# Altium PCB 10515.0462_全联供主板(2拼版)_V1.0.PcbDoc (part 2 of 18)
Units mm, origin at the board's own origin, x right, y up, seen from the top; angles counter-clockwise.
Board outline 282 x 198 mm, 2 copper layers (Top Layer, Bottom Layer); 716 components, 0 nets, 2364 pads, 1800 vias.
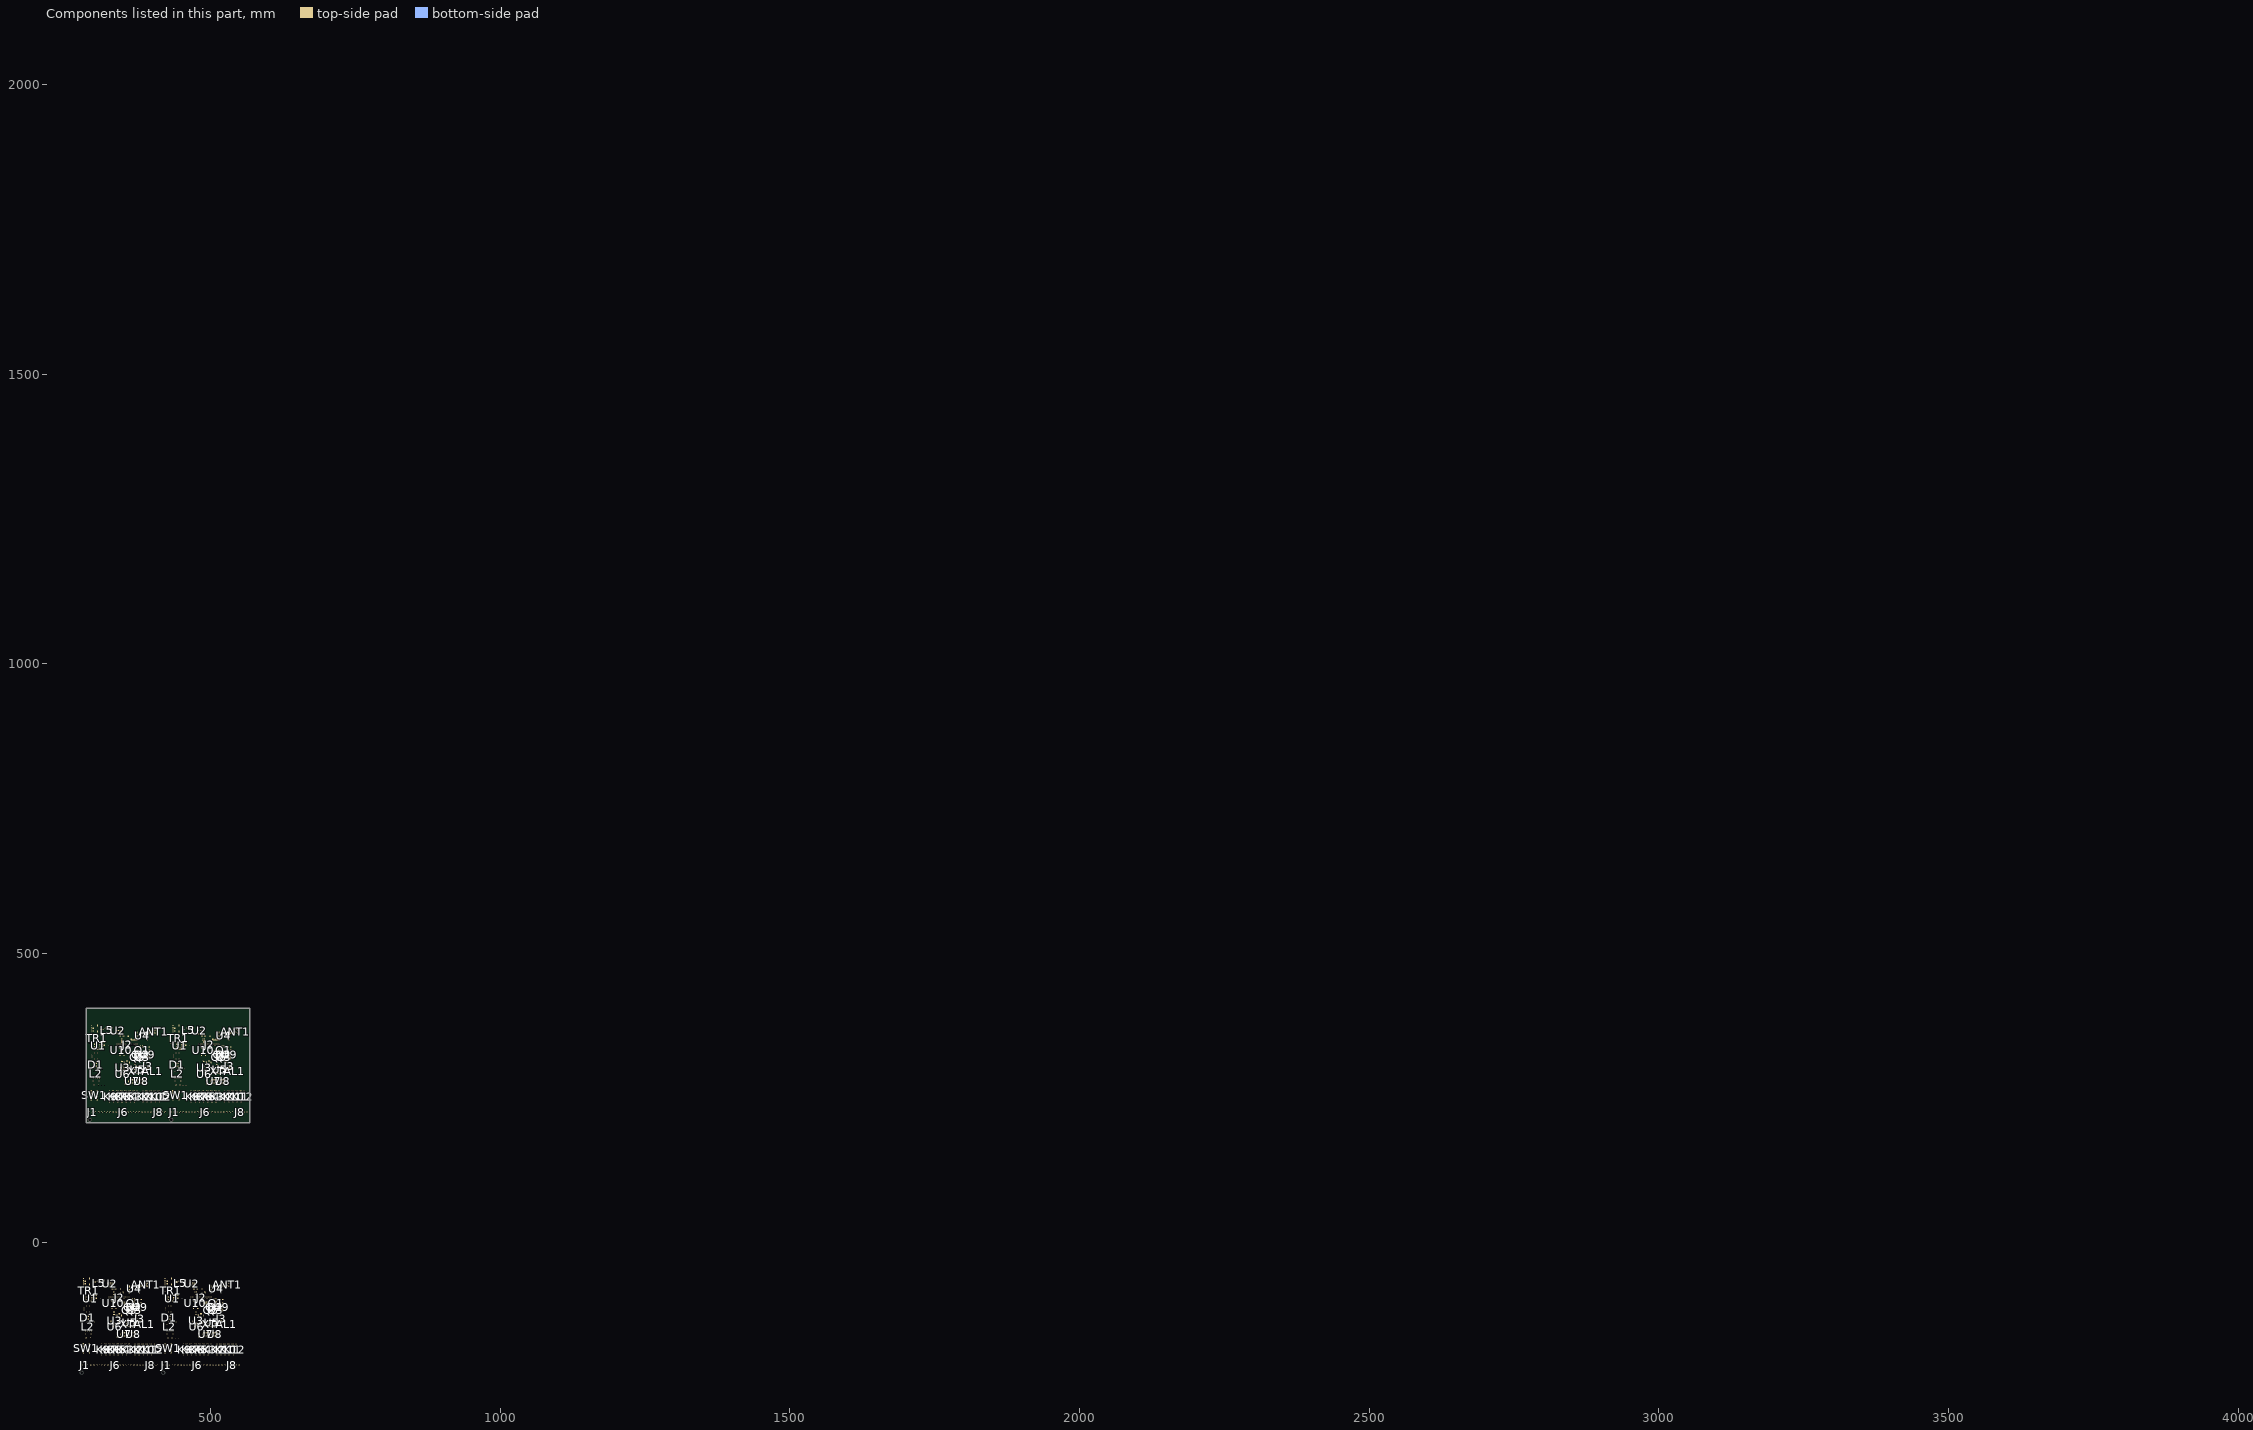
[diagram p2: the components of this part, seen from the top]

## Part data
ANT1 ANT1 ANT1 ANT1: library part OTHER/Antena/SMA座
C1 C1 C1 C1 C2 C2 C2 C2: library part CAP/CAP/SMT/1206C
C3 C3 C3 C3 C4 C4 C4 C4 C5 C5 C5 C5 C6 C6 C6 C6 C7 C7 C7 C7 C8 C8 C8 C8 C9 C9 C9 C9 C10 C10 C10 C10 C11 C11 C11 C11 C12 C12 C12 C12 C13 C13 C13 C13 C14 C14 C14 C14 C15 C15 C15 C15 C16 C16 C16 C16 C17 C17 C17 C17 C18 C18 C18 C18 C19 C19 C19 C19 C20 C20 C20 C20 C21 C21 C21 C21 C22 C22 C22 C22 C23 C23 C23 C23 C24 C24 C24 C24 C25 C25 C25 C25 C26 C26 C26 C26 C27 C27 C27 C27 C28 C28 C28 C28 C29 C29 C29 C29 C30 C30 C30 C30 C31 C31 C31 C31 C32 C32 C32 C32 C35 C35 C35 C35 C36 C36 C36 C36 C37 C37 C37 C37 C40 C40 C40 C40 C44 C44 C44 C44 C45 C45 C45 C45 C46 C46 C46 C46 C48 C48 C48 C48 C49 C49 C49 C49: library part CAP/CAP/SMT/0603C
C34 C34 C34 C34: library part A_Cap_0805
C42 C42 C42 C42 C43 C43 C43 C43: library part CAP/CAP/SMT/0805C
CX1 CX1 CX1 CX1: library part CAP/DIP/0.1uF/275V
CY1 CY1 CY1 CY1 CY2 CY2 CY2 CY2 CY3 CY3 CY3 CY3 CY4 CY4 CY4 CY4: library part CAP/DIP/102M/250V
D1 D1 D1 D1: library part D/BRIDGE/SMT/MB10S, "D_Bridge"
D2 D2 D2 D2: library part D/D/SMT/SS210/DO-214
D3 D3 D3 D3: library part D/D/SMT/1N4007-SOD123
D4 D4 D4 D4: library part D/D/SMT/FFM107/DO-214
D5 D5 D5 D5: library part D/D/SMT/1N4148/SOD-123, "VR=75V T(-65-175)P(0.5W)VF=0.6V"
D6 D6 D6 D6 D9 D9 D9 D9 D10 D10 D10 D10: library part D/TVS/SMT/SMBJ6.5A/DO-214
EC1 EC1 EC1 EC1 EC2 EC2 EC2 EC2: library part CAP/AEC/DIP/6.8uF/400V
EC3 EC3 EC3 EC3 EC8 EC8 EC8 EC8: library part CAP/AEC/DIP/330uF/25V
EC4 EC4 EC4 EC4: library part CAP/AEC/DIP/10uF/50V
EC5 EC5 EC5 EC5: library part CAP/AEC/SMT/220uF/50V
EC6 EC6 EC6 EC6: library part CAP/AEC/SMT/220uF/16V
EC7 EC7 EC7 EC7: library part CAP/AEC/SMT/330uF/6.3V
EC9 EC9 EC9 EC9: library part CAP/TEC/SMT/TAJC476M010RNJ
EC11 EC11 EC11 EC11: library part CAP/AEC/SMT/100uF/25V
J1 J1 J1 J1: library part CON/DIP/1X3PIN/WJ103-5.0MM, "Connector"
J2 J2 J2 J2: "Connector"
J3 J3 J3 J3: library part CON/DIP/1X5PIN_2MM, "Connector"
J6 J6 J6 J6: library part CON/DIP/1X18PIN/WJ103-5.0MM, "Connector"
J8 J8 J8 J8: library part CON/DIP/1X6PIN/WJ103-5.0MM, "Connector"
K1 K1 K1 K1 K2 K2 K2 K2 K3 K3 K3 K3 K4 K4 K4 K4 K5 K5 K5 K5 K6 K6 K6 K6 K7 K7 K7 K7 K8 K8 K8 K8 K9 K9 K9 K9 K10 K10 K10 K10 K11 K11 K11 K11 K12 K12 K12 K12: library part RELAY/GENERAL/DIP/HF46F/012-HS1T
L1 L1 L1 L1: library part L/L/DIP/JYGX68-1.0mH/300mA, "工字电感"
L2 L2 L2 L2: library part L/L/DIP/20mH, "共模电感"
L3 L3 L3 L3: library part L/L/SMT/SWPA3015S150MT, "电感3.0MM*3.0MM*1.5MM"
L4 L4 L4 L4: library part L/BEAD/SMT/0603L
L5 L5 L5 L5: library part L/L/DIP/100uH_共模电感, "共模电感"
LED1 LED1 LED1 LED1: library part D/LED/SMT/BL-HG635A-TRB高亮绿/0805
Q1 Q1 Q1 Q1: library part PNP, "PNP Bipolar Transistor"
Q2 Q2 Q2 Q2 Q3 Q3 Q3 Q3 Q4 Q4 Q4 Q4 Q5 Q5 Q5 Q5: library part BJT/NPN/SMT/SS8050/SOT-23, "Vce25V/Vcb40V/Veb5V/Ic1.5V/Pd300mW"
R1 R1 R1 R1 R2 R2 R2 R2 R3 R3 R3 R3 R4 R4 R4 R4 R6 R6 R6 R6 R45 R45 R45 R45 R48 R48 R48 R48 R56 R56 R56 R56 R58 R58 R58 R58: library part RES/RES/SMT/1206
R5 R5 R5 R5 R13 R13 R13 R13 R14 R14 R14 R14 R15 R15 R15 R15 R16 R16 R16 R16 R17 R17 R17 R17 R18 R18 R18 R18 R19 R19 R19 R19 R20 R20 R20 R20 R21 R21 R21 R21 R22 R22 R22 R22 R23 R23 R23 R23 R24 R24 R24 R24 R25 R25 R25 R25 R26 R26 R26 R26 R27 R27 R27 R27 R28 R28 R28 R28 R29 R29 R29 R29 R30 R30 R30 R30 R31 R31 R31 R31 R32 R32 R32 R32 R33 R33 R33 R33 R34 R34 R34 R34 R35 R35 R35 R35 R36 R36 R36 R36 R37 R37 R37 R37 R38 R38 R38 R38 R39 R39 R39 R39 R40 R40 R40 R40 R69 R69 R69 R69: library part RES/RES/SMT/0603
R7 R7 R7 R7 R8 R8 R8 R8 R9 R9 R9 R9 R10 R10 R10 R10 R11 R11 R11 R11 R12 R12 R12 R12: library part RES/RES/SMT/0805
R41 R41 R41 R41 R42 R42 R42 R42 R43 R43 R43 R43 R44 R44 R44 R44 R46 R46 R46 R46 R47 R47 R47 R47 R49 R49 R49 R49 R50 R50 R50 R50 R51 R51 R51 R51 R52 R52 R52 R52: library part A_Res_0805, "Resistor"
R53 R53 R53 R53 R54 R54 R54 R54 R55 R55 R55 R55 R57 R57 R57 R57 R59 R59 R59 R59 R60 R60 R60 R60 R61 R61 R61 R61 R62 R62 R62 R62: library part Res1, "Resistor"
RF1 RF1 RF1 RF1: library part FUSE/FUSE/DIP/3.15A
RY1 RY1 RY1 RY1: library part RES/RY/DIP/TDK471KD14
SW1 SW1 SW1 SW1: library part SWITCH/POWER/DIP/船型开关
TR1 TR1 TR1 TR1: library part "L/TRANS/DIP/PN8370 24V 0.4A"
U1 U1 U1 U1: library part IC/POWER/SMT/PN8366/SOP-8
U2 U2 U2 U2: library part IC/POWER/SMT/MPS2314/SOT23-8
U3 U3 U3 U3: library part IC/OP/SMT/SGM358YS/SOIC-8, "1MHz 60uA Rail-to-Rail i/o CMOS OP"
U4 U4 U4 U4: library part MODLE/RF/LSD4RF-2F717N30
U5 U5 U5 U5: library part MCU/SMT/STM32F030RCT6/LQFP64
U6 U6 U6 U6: library part IC/FLASH/SMT/M24512-RMN6TP/SO8, "512 Kbit serial I2C bus EEPROM with three Chip Enable lines"
U7 U7 U7 U7 U8 U8 U8 U8: library part IC/DRIVE/SMT/ULN2003ADR/SOIC-16, "High-Voltage, High-Current Darlington Array"
U9 U9 U9 U9: library part MAX487
U10 U10 U10 U10: library part IC/POWER/SMT/SPX1117M3-L3.3TR/SOT-223
XTAL1 XTAL1 XTAL1 XTAL1: library part XTAL/SMT/OSC12MHZ-2

## Free pads (board coordinates)
  round 7 hole 4: 0(277.221,-223.927) 0(290.85,212.668) 0(418.221,-223.927) 0(431.85,212.668)
  round 2 on Top Solder: 0(309.225,-95.784) 0(322.854,340.811) 0(392.791,-158.268) 0(406.42,278.327) 0(450.225,-95.784) 0(463.854,340.811) 0(533.791,-158.268) 0(547.42,278.327)
  round 1 all layers, no hole: 0(309.225,-95.784) 0(322.854,340.811) 0(392.791,-158.268) 0(406.42,278.327) 0(450.225,-95.784) 0(463.854,340.811) 0(533.791,-158.268) 0(547.42,278.327)
  round 2 on Bottom Solder: 0(309.225,-95.784) 0(322.854,340.811) 0(392.791,-158.268) 0(406.42,278.327) 0(450.225,-95.784) 0(463.854,340.811) 0(533.791,-158.268) 0(547.42,278.327)

## Via types
v1: diameter 0.7, hole 0.4, Top Layer to Bottom Layer, tented both sides, 1800 vias

## Nets (pads, with @x,y where several pads share a name; then routed paths per layer and width w, separated by ;. In a path a pad name is that pad's centre, name@x,y a point inside that pad or via, vN(x,y) a via of type N, cw(c..) or ccw(c..) an arc to the next point about the centre after c; other vN are vias at no path point)
pads on no net: +3.3V.1 ANT1.1 ANT1.2 ANT1.3 ANT1.4 ANT1.5 C1.1 C1.2 C2.1 C2.2 C3.1 C3.2 C4.1 C4.2 C5.1 C5.2 C6.1 C6.2 C7.1 C7.2 C8.1 C8.2 C9.1 C9.2 C10.1 C10.2 C11.1 C11.2 C12.1 C12.2 C13.1 C13.2 C14.1 C14.2 C15.1 C15.2 C16.1 C16.2 C17.1 C17.2 C18.1 C18.2 C19.1 C19.2 C20.1 C20.2 C21.1 C21.2 C22.1 C22.2 C23.1 C23.2 C24.1 C24.2 C25.1 C25.2 C26.1 C26.2 C27.1 C27.2 C28.1 C28.2 C29.1 C29.2 C30.1 C30.2 C31.1 C31.2 C32.1 C32.2 C34.1 C34.2 C35.1 C35.2 C36.1 C36.2 C37.1 C37.2 C40.1 C40.2 C42.1 C42.2 C43.1 C43.2 C44.1 C44.2 C45.1 C45.2 C46.1 C46.2 C48.1 C48.2 C49.1 C49.2 CX1.1 CX1.2 CY1.1 CY1.2 CY2.1 CY2.2 CY3.1 CY3.2 CY4.1 CY4.2 D1.1 D1.2 D1.3 D1.4 D2.1 D2.2 D3.1 D3.2 D4.1 D4.2 D5.1 D5.2 D6.1 D6.2 D9.1 D9.2 D10.1 D10.2 EC1.1 EC1.2 EC2.1 EC2.2 EC3.1 EC3.2 EC4.1 EC4.2 EC5.1 EC5.2 EC6.1 EC6.2 EC7.1 EC7.2 EC8.1 EC8.2 EC9.1 EC9.2 EC11.1 EC11.2 GND1.1 J1.1 J1.2 J1.3 J2.1 J2.2 J2.3 J2.4 J2.5 J2.6 J2.7 J2.8 J2.9 J2.10 J2.11 J2.12 J2.13 J2.14 J2.15 J2.16 J2.17 J2.18 J2.19 J2.20 J2.21 J2.22 J2.23 J2.24 J2.25 J2.26 J2.27 J2.28 J2.29 J2.30 J3.1 J3.2 J3.3 J3.4 J3.5 J6.1 J6.2 J6.3 J6.4 J6.5 J6.6 J6.7 J6.8 J6.9 J6.10 J6.11 J6.12 J6.13 J6.14 J6.15 J6.16 J6.17 J6.18 J8.1 J8.2 J8.3 J8.4 J8.5 J8.6 K1.1 K1.2 K1.3 K1.4 K2.1 K2.2 K2.3 K2.4 K3.1 K3.2 K3.3 K3.4 K4.1 K4.2 K4.3 K4.4 K5.1 K5.2 K5.3 K5.4 K6.1 K6.2 K6.3 K6.4 K7.1 K7.2 K7.3 K7.4 K8.1 K8.2 K8.3 K8.4 K9.1 K9.2 K9.3 K9.4 K10.1 K10.2 K10.3 K10.4 K11.1 K11.2 K11.3 K11.4 K12.1 K12.2 K12.3 K12.4 L1.1 L1.2 L2.1 L2.2 L2.3 L2.4 L3.1 L3.2 L4.1 L4.2 L5.1 L5.2 L5.3 L5.4 LED1.1 LED1.2 Q1.1 Q1.2 Q1.3 Q2.1 Q2.2 Q2.3 Q3.1 Q3.2 Q3.3 Q4.1 Q4.2 Q4.3 Q5.1 Q5.2 Q5.3 R1.1 R1.2 R2.1 R2.2 R3.1 R3.2 R4.1 R4.2 R5.1 R5.2 R6.1 R6.2 R7.1 R7.2 R8.1 R8.2 R9.1 R9.2 R10.1 R10.2 R11.1 R11.2 R12.1 R12.2 R13.1 R13.2 R14.1 R14.2 R15.1 R15.2 R16.1 R16.2 R17.1 R17.2 R18.1 R18.2 R19.1 R19.2 R20.1 R20.2 R21.1 R21.2 R22.1 R22.2 R23.1 R23.2 R24.1 R24.2 R25.1 R25.2 R26.1 R26.2 R27.1 R27.2 R28.1 R28.2 R29.1 R29.2 R30.1 R30.2 R31.1 R31.2 R32.1 R32.2 R33.1 R33.2 R34.1 R34.2 R35.1 R35.2 R36.1 R36.2 R37.1 R37.2 R38.1 R38.2 R39.1 R39.2 R40.1 R40.2 R41.1 R41.2 R42.1 R42.2 R43.1 R43.2 R44.1 R44.2 R45.1 R45.2 R46.1 R46.2 R47.1 R47.2 R48.1 R48.2 R49.1 R49.2 R50.1 R50.2 R51.1 R51.2 R52.1 R52.2 R53.1 R53.2 R54.1 R54.2 R55.1 R55.2 R56.1 R56.2 R57.1 R57.2 R58.1 R58.2 R59.1 R59.2 R60.1 R60.2 R61.1 R61.2 R62.1 R62.2 R69.1 R69.2 RF1.1 RF1.2 RXD1.1 RY1.1 RY1.2 SW1. SW1.2 SW1.4 T1.1 TR1.1 TR1.3 TR1.4 TR1.5 TR1.8 TR1.10 TXD1.1 U1.1 U1.2 U1.3 U1.4 U1.5 U1.6 U1.7 U2.1 U2.2 U2.3 U2.4 U2.5 U2.6 U2.7 U2.8 U3.1 U3.2 U3.3 U3.4 U3.5 U3.6 U3.7 U3.8 U4.1 U4.2 U4.3 U4.4 U4.5 U4.6 U4.7 U4.8 U4.9 U4.10 U4.11 U4.12 U4.13 U4.14 U5.1 U5.2 U5.3 U5.4 U5.5 U5.6 U5.7 U5.8 U5.9 U5.10 U5.11 U5.12 U5.13 U5.14 U5.15 U5.16 U5.17 U5.18 U5.19 U5.20 U5.21 U5.22 U5.23 U5.24 U5.25 U5.26 U5.27 U5.28 U5.29 U5.30 U5.31 U5.32 U5.33 U5.34 U5.35 U5.36 U5.37 U5.38 U5.39 U5.40 U5.41 U5.42 U5.43 U5.44 U5.45 U5.46 U5.47 U5.48 U5.49 U5.50 U5.51 U5.52 U5.53 U5.54 U5.55 U5.56 U5.57 U5.58 U5.59 U5.60 U5.61 U5.62 U5.63 U5.64 U6.1 U6.2 U6.3 U6.4 U6.5 U6.6 U6.7 U6.8 U7.1 U7.2 U7.3 U7.4 U7.5 U7.6 U7.7 U7.8 U7.9 U7.10 U7.11 U7.12 U7.13 U7.14 U7.15 U7.16 U8.1 U8.2 U8.3 U8.4 U8.5 U8.6 U8.7 U8.8 U8.9 U8.10 U8.11 U8.12 U8.13 U8.14 U8.15 U8.16 U9.1 U9.2 U9.3 U9.4 U9.5 U9.6 U9.7 U9.8 U10.1 U10.2 U10.3 XTAL1.1 XTAL1.2 XTAL1.3 XTAL1.4
copper on no net: | length 38525.5